# KiCad board PixelWave.kicad_pcb (continued)
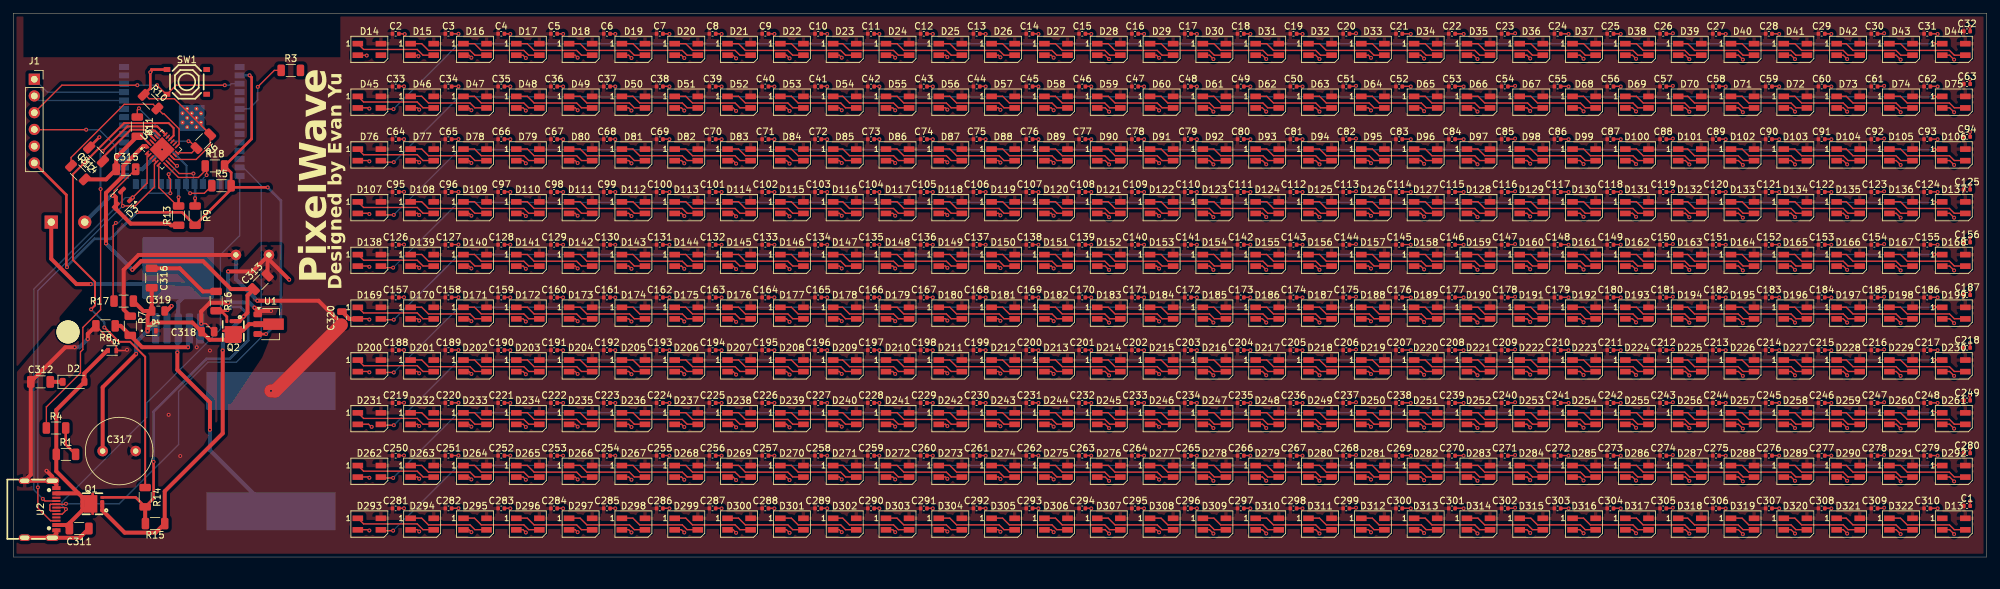
[diagram p0: board, top side]
## Nets (continued)
+5V: C1.1 C2.1 C3.1 C4.1 C5.1 C6.1 C7.1 C8.1 C9.1 C10.1 C11.1 C12.1 C13.1 C14.1 C15.1 C16.1 C17.1 C18.1 C19.1 C20.1 C21.1 C22.1 C23.1 C24.1 C25.1 C26.1 C27.1 C28.1 C29.1 C30.1 C31.1 C32.1 C33.1 C34.1 C35.1 C36.1 C37.1 C38.1 C39.1 C40.1 C41.1 C42.1 C43.1 C44.1 C45.1 C46.1 C47.1 C48.1 C49.1 C50.1 C51.1 C52.1 C53.1 C54.1 C55.1 C56.1 C57.1 C58.1 C59.1 C60.1 C61.1 C62.1 C63.1 C64.1 C65.1 C66.1 C67.1 C68.1 C69.1 C70.1 C71.1 C72.1 C73.1 C74.1 C75.1 C76.1 C77.1 C78.1 C79.1 C80.1 C81.1 C82.1 C83.1 C84.1 C85.1 C86.1 C87.1 C88.1 C89.1 C90.1 C91.1 C92.1 C93.1 C94.1 C95.1 C96.1 C97.1 C98.1 C99.1 C100.1 C101.1 C102.1 C103.1 C104.1 C105.1 C106.1 C107.1 C108.1 C109.1 C110.1 C111.1 C112.1 C113.1 C114.1 C115.1 C116.1 C117.1 C118.1 C119.1 C120.1 C121.1 C122.1 C123.1 C124.1 C125.1 C126.1 C127.1 C128.1 C129.1 C130.1 C131.1 C132.1 C133.1 C134.1 C135.1 C136.1 C137.1 C138.1 C139.1 C140.1 C141.1 C142.1 C143.1 C144.1 C145.1 C146.1 C147.1 C148.1 C149.1 C150.1 C151.1 C152.1 C153.1 C154.1 C155.1 C156.1 C157.1 C158.1 C159.1 C160.1 C161.1 C162.1 C163.1 C164.1 C165.1 C166.1 C167.1 C168.1 C169.1 C170.1 C171.1 C172.1 C173.1 C174.1 C175.1 C176.1 C177.1 C178.1 C179.1 C180.1 C181.1 C182.1 C183.1 C184.1 C185.1 C186.1 C187.1 C188.1 C189.1 C190.1 C191.1 C192.1 C193.1 C194.1 C195.1 C196.1 C197.1 C198.1 C199.1 C200.1 C201.1 C202.1 C203.1 C204.1 C205.1 C206.1 C207.1 C208.1 C209.1 C210.1 C211.1 C212.1 C213.1 C214.1 C215.1 C216.1 C217.1 C218.1 C219.1 C220.1 C221.1 C222.1 C223.1 C224.1 C225.1 C226.1 C227.1 C228.1 C229.1 C230.1 C231.1 C232.1 C233.1 C234.1 C235.1 C236.1 C237.1 C238.1 C239.1 C240.1 C241.1 C242.1 C243.1 C244.1 C245.1 C246.1 C247.1 C248.1 C249.1 C250.1 C251.1 C252.1 C253.1 C254.1 C255.1 C256.1 C257.1 C258.1 C259.1 C260.1 C261.1 C262.1 C263.1 C264.1 C265.1 C266.1 C267.1 C268.1 C269.1 C270.1 C271.1 C272.1 C273.1 C274.1 C275.1 C276.1 C277.1 C278.1 C279.1 C280.1 C281.1 C282.1 C283.1 C284.1 C285.1 C286.1 C287.1 C288.1 C289.1 C290.1 C291.1 C292.1 C293.1 C294.1 C295.1 C296.1 C297.1 C298.1 C299.1 C300.1 C301.1 C302.1 C303.1 C304.1 C305.1 C306.1 C307.1 C308.1 C309.1 C310.1 C320.1 C321.1 D13.4 D14.4 D15.4 D16.4 D17.4 D18.4 D19.4 D20.4 D21.4 D22.4 D23.4 D24.4 D25.4 D26.4 D27.4 D28.4 D29.4 D30.4 D31.4 D32.4 D33.4 D34.4 D35.4 D36.4 D37.4 D38.4 D39.4 D40.4 D41.4 D42.4 D43.4 D44.4 D45.4 D46.4 D47.4 D48.4 D49.4 D50.4 D51.4 D52.4 D53.4 D54.4 D55.4 D56.4 D57.4 D58.4 D59.4 D60.4 D61.4 D62.4 D63.4 D64.4 D65.4 D66.4 D67.4 D68.4 D69.4 D70.4 D71.4 D72.4 D73.4 D74.4 D75.4 D76.4 D77.4 D78.4 D79.4 D80.4 D81.4 D82.4 D83.4 D84.4 D85.4 D86.4 D87.4 D88.4 D89.4 D90.4 D91.4 D92.4 D93.4 D94.4 D95.4 D96.4 D97.4 D98.4 D99.4 D100.4 D101.4 D102.4 D103.4 D104.4 D105.4 D106.4 D107.4 D108.4 D109.4 D110.4 D111.4 D112.4 D113.4 D114.4 D115.4 D116.4 D117.4 D118.4 D119.4 D120.4 D121.4 D122.4 D123.4 D124.4 D125.4 D126.4 D127.4 D128.4 D129.4 D130.4 D131.4 D132.4 D133.4 D134.4 D135.4 D136.4 D137.4 D138.4 D139.4 D140.4 D141.4 D142.4 D143.4 D144.4 D145.4 D146.4 D147.4 D148.4 D149.4 D150.4 D151.4 D152.4 D153.4 D154.4 D155.4 D156.4 D157.4 D158.4 D159.4 D160.4 D161.4 D162.4 D163.4 D164.4 D165.4 D166.4 D167.4 D168.4 D169.4 D170.4 D171.4 D172.4 D173.4 D174.4 D175.4 D176.4 D177.4 D178.4 D179.4 D180.4 D181.4 D182.4 D183.4 D184.4 D185.4 D186.4 D187.4 D188.4 D189.4 D190.4 D191.4 D192.4 D193.4 D194.4 D195.4 D196.4 D197.4 D198.4 D199.4 D200.4 D201.4 D202.4 D203.4 D204.4 D205.4 D206.4 D207.4 D208.4 D209.4 D210.4 D211.4 D212.4 D213.4 D214.4 D215.4 D216.4 D217.4 D218.4 D219.4 D220.4 D221.4 D222.4 D223.4 D224.4 D225.4 D226.4 D227.4 D228.4 D229.4 D230.4 D231.4 D232.4 D233.4 D234.4 D235.4 D236.4 D237.4 D238.4 D239.4 D240.4 D241.4 D242.4 D243.4 D244.4 D245.4 D246.4 D247.4 D248.4 D249.4 D250.4 D251.4 D252.4 D253.4 D254.4 D255.4 D256.4 D257.4 D258.4 D259.4 D260.4 D261.4 D262.4 D263.4 D264.4 D265.4 D266.4 D267.4 D268.4 D269.4 D270.4 D271.4 D272.4 D273.4 D274.4 D275.4 D276.4 D277.4 D278.4 D279.4 D280.4 D281.4 D282.4 D283.4 D284.4 D285.4 D286.4 D287.4 D288.4 D289.4 D290.4 D291.4 D292.4 D293.4 D294.4 D295.4 D296.4 D297.4 D298.4 D299.4 D300.4 D301.4 D302.4 D303.4 D304.4 D305.4 D306.4 D307.4 D308.4 D309.4 D310.4 D311.4 D312.4 D313.4 D314.4 D315.4 D316.4 D317.4 D318.4 D319.4 D320.4 D321.4 D322.4 L1.2 R7.1
GND: C1.2 C2.2 C3.2 C4.2 C5.2 C6.2 C7.2 C8.2 C9.2 C10.2 C11.2 C12.2 C13.2 C14.2 C15.2 C16.2 C17.2 C18.2 C19.2 C20.2 C21.2 C22.2 C23.2 C24.2 C25.2 C26.2 C27.2 C28.2 C29.2 C30.2 C31.2 C32.2 C33.2 C34.2 C35.2 C36.2 C37.2 C38.2 C39.2 C40.2 C41.2 C42.2 C43.2 C44.2 C45.2 C46.2 C47.2 C48.2 C49.2 C50.2 C51.2 C52.2 C53.2 C54.2 C55.2 C56.2 C57.2 C58.2 C59.2 C60.2 C61.2 C62.2 C63.2 C64.2 C65.2 C66.2 C67.2 C68.2 C69.2 C70.2 C71.2 C72.2 C73.2 C74.2 C75.2 C76.2 C77.2 C78.2 C79.2 C80.2 C81.2 C82.2 C83.2 C84.2 C85.2 C86.2 C87.2 C88.2 C89.2 C90.2 C91.2 C92.2 C93.2 C94.2 C95.2 C96.2 C97.2 C98.2 C99.2 C100.2 C101.2 C102.2 C103.2 C104.2 C105.2 C106.2 C107.2 C108.2 C109.2 C110.2 C111.2 C112.2 C113.2 C114.2 C115.2 C116.2 C117.2 C118.2 C119.2 C120.2 C121.2 C122.2 C123.2 C124.2 C125.2 C126.2 C127.2 C128.2 C129.2 C130.2 C131.2 C132.2 C133.2 C134.2 C135.2 C136.2 C137.2 C138.2 C139.2 C140.2 C141.2 C142.2 C143.2 C144.2 C145.2 C146.2 C147.2 C148.2 C149.2 C150.2 C151.2 C152.2 C153.2 C154.2 C155.2 C156.2 C157.2 C158.2 C159.2 C160.2 C161.2 C162.2 C163.2 C164.2 C165.2 C166.2 C167.2 C168.2 C169.2 C170.2 C171.2 C172.2 C173.2 C174.2 C175.2 C176.2 C177.2 C178.2 C179.2 C180.2 C181.2 C182.2 C183.2 C184.2 C185.2 C186.2 C187.2 C188.2 C189.2 C190.2 C191.2 C192.2 C193.2 C194.2 C195.2 C196.2 C197.2 C198.2 C199.2 C200.2 C201.2 C202.2 C203.2 C204.2 C205.2 C206.2 C207.2 C208.2 C209.2 C210.2 C211.2 C212.2 C213.2 C214.2 C215.2 C216.2 C217.2 C218.2 C219.2 C220.2 C221.2 C222.2 C223.2 C224.2 C225.2 C226.2 C227.2 C228.2 C229.2 C230.2 C231.2 C232.2 C233.2 C234.2 C235.2 C236.2 C237.2 C238.2 C239.2 C240.2 C241.2 C242.2 C243.2 C244.2 C245.2 C246.2 C247.2 C248.2 C249.2 C250.2 C251.2 C252.2 C253.2 C254.2 C255.2 C256.2 C257.2 C258.2 C259.2 C260.2 C261.2 C262.2 C263.2 C264.2 C265.2 C266.2 C267.2 C268.2 C269.2 C270.2 C271.2 C272.2 C273.2 C274.2 C275.2 C276.2 C277.2 C278.2 C279.2 C280.2 C281.2 C282.2 C283.2 C284.2 C285.2 C286.2 C287.2 C288.2 C289.2 C290.2 C291.2 C292.2 C293.2 C294.2 C295.2 C296.2 C297.2 C298.2 C299.2 C300.2 C301.2 C302.2 C303.2 C304.2 C305.2 C306.2 C307.2 C308.2 C309.2 C310.2 C311.2 C312.1 C313.2 C314.2 C315.2 C317.2 C318.2 C320.2 C321.2 D1.A D3.3 D4.A D5.2 D13.2 D14.2 D15.2 D16.2 D17.2 D18.2 D19.2 D20.2 D21.2 D22.2 D23.2 D24.2 D25.2 D26.2 D27.2 D28.2 D29.2 D30.2 D31.2 D32.2 D33.2 D34.2 D35.2 D36.2 D37.2 D38.2 D39.2 D40.2 D41.2 D42.2 D43.2 D44.2 D45.2 D46.2 D47.2 D48.2 D49.2 D50.2 D51.2 D52.2 D53.2 D54.2 D55.2 D56.2 D57.2 D58.2 D59.2 D60.2 D61.2 D62.2 D63.2 D64.2 D65.2 D66.2 D67.2 D68.2 D69.2 D70.2 D71.2 D72.2 D73.2 D74.2 D75.2 D76.2 D77.2 D78.2 D79.2 D80.2 D81.2 D82.2 D83.2 D84.2 D85.2 D86.2 D87.2 D88.2 D89.2 D90.2 D91.2 D92.2 D93.2 D94.2 D95.2 D96.2 D97.2 D98.2 D99.2 D100.2 D101.2 D102.2 D103.2 D104.2 D105.2 D106.2 D107.2 D108.2 D109.2 D110.2 D111.2 D112.2 D113.2 D114.2 D115.2 D116.2 D117.2 D118.2 D119.2 D120.2 D121.2 D122.2 D123.2 D124.2 D125.2 D126.2 D127.2 D128.2 D129.2 D130.2 D131.2 D132.2 D133.2 D134.2 D135.2 D136.2 D137.2 D138.2 D139.2 D140.2 D141.2 D142.2 D143.2 D144.2 D145.2 D146.2 D147.2 D148.2 D149.2 D150.2 D151.2 D152.2 D153.2 D154.2 D155.2 D156.2 D157.2 D158.2 D159.2 D160.2 D161.2 D162.2 D163.2 D164.2 D165.2 D166.2 D167.2 D168.2 D169.2 D170.2 D171.2 D172.2 D173.2 D174.2 D175.2 D176.2 D177.2 D178.2 D179.2 D180.2 D181.2 D182.2 D183.2 D184.2 D185.2 D186.2 D187.2 D188.2 D189.2 D190.2 D191.2 D192.2 D193.2 D194.2 D195.2 D196.2 D197.2 D198.2 D199.2 D200.2 D201.2 D202.2 D203.2 D204.2 D205.2 D206.2 D207.2 D208.2 D209.2 D210.2 D211.2 D212.2 D213.2 D214.2 D215.2 D216.2 D217.2 D218.2 D219.2 D220.2 D221.2 D222.2 D223.2 D224.2 D225.2 D226.2 D227.2 D228.2 D229.2 D230.2 D231.2 D232.2 D233.2 D234.2 D235.2 D236.2 D237.2 D238.2 D239.2 D240.2 D241.2 D242.2 D243.2 D244.2 D245.2 D246.2 D247.2 D248.2 D249.2 D250.2 D251.2 D252.2 D253.2 D254.2 D255.2 D256.2 D257.2 D258.2 D259.2 D260.2 D261.2 D262.2 D263.2 D264.2 D265.2 D266.2 D267.2 D268.2 D269.2 D270.2 D271.2 D272.2 D273.2 D274.2 D275.2 D276.2 D277.2 D278.2 D279.2 D280.2 D281.2 D282.2 D283.2 D284.2 D285.2 D286.2 D287.2 D288.2 D289.2 D290.2 D291.2 D292.2 D293.2 D294.2 D295.2 D296.2 D297.2 D298.2 D299.2 D300.2 D301.2 D302.2 D303.2 D304.2 D305.2 D306.2 D307.2 D308.2 D309.2 D310.2 D311.2 D312.2 D313.2 D314.2 D315.2 D316.2 D317.2 D318.2 D319.2 D320.2 D321.2 D322.2 J1.5 R6.1 R8.2 R10.1 R13.2 SW1.1 U1.1 U2.1 U2.2 U2.3 U2.4 U2.A1B12 U2.B1A12 U3.1 U3.40 U3.41 U4.1 U5.10 U5.22 U5.25
VBUS: C311.1 D1.C D2.2 Q1.5 Q1.6 Q1.7 Q1.8 Q1.9 R1.1 U2.A4B9 U2.B4A9
/ALERT: R5.1 U3.20 U5.19
/C_Vsnk: C316.2 C317.1 C318.1 C319.1 D4.C Q2.5 Q2.6 Q2.7 Q2.8 Q2.9 R17.1 U1.2 U4.5
/EN: J1.3 SW1.3 U3.3
/I2C_SCL: R18.1 U3.18 U5.7
/I2C_SDA: R9.1 U3.19 U5.8
/IO0: J1.4 U3.27
/IO1: U3.39
/IO2: U3.38
/IO3: U3.15
/IO4: U3.4
/IO5: U3.5
/LED: R3.1 U3.6
/RESET: R13.1 U3.21 U5.6
/RX: J1.2 U3.36
/TX: J1.1 U3.37
/USB_DM: U2.A7 U2.B7 U3.13
/USB_DP: U2.A6 U2.B6 U3.14
Net-(C316-Pad1): C316.1 R16.1
Net-(D2-K): C312.2 D2.1
Net-(D5-K): D5.1 L1.1 U4.3
Net-(D13-DIN): D13.3 D322.1
Net-(D14-DIN): D14.3 R3.2
Net-(D14-DOUT): D14.1 D15.3
Net-(D15-DOUT): D15.1 D16.3
Net-(D16-DOUT): D16.1 D17.3
Net-(D17-DOUT): D17.1 D18.3
Net-(D18-DOUT): D18.1 D19.3
Net-(D19-DOUT): D19.1 D20.3
Net-(D20-DOUT): D20.1 D21.3
Net-(D21-DOUT): D21.1 D22.3
Net-(D22-DOUT): D22.1 D23.3
Net-(D23-DOUT): D23.1 D24.3
Net-(D24-DOUT): D24.1 D25.3
Net-(D25-DOUT): D25.1 D26.3
Net-(D26-DOUT): D26.1 D27.3
Net-(D27-DOUT): D27.1 D28.3
Net-(D28-DOUT): D28.1 D29.3
Net-(D29-DOUT): D29.1 D30.3
Net-(D30-DOUT): D30.1 D31.3
Net-(D31-DOUT): D31.1 D32.3
Net-(D32-DOUT): D32.1 D33.3
Net-(D33-DOUT): D33.1 D34.3
Net-(D34-DOUT): D34.1 D35.3
Net-(D35-DOUT): D35.1 D36.3
Net-(D36-DOUT): D36.1 D37.3
Net-(D37-DOUT): D37.1 D38.3
Net-(D38-DOUT): D38.1 D39.3
Net-(D39-DOUT): D39.1 D40.3
Net-(D40-DOUT): D40.1 D41.3
Net-(D41-DOUT): D41.1 D42.3
Net-(D42-DOUT): D42.1 D43.3
Net-(D43-DOUT): D43.1 D44.3
Net-(D44-DOUT): D44.1 D45.3
Net-(D45-DOUT): D45.1 D46.3
Net-(D46-DOUT): D46.1 D47.3
Net-(D47-DOUT): D47.1 D48.3
Net-(D48-DOUT): D48.1 D49.3
Net-(D49-DOUT): D49.1 D50.3
Net-(D50-DOUT): D50.1 D51.3
Net-(D51-DOUT): D51.1 D52.3
Net-(D52-DOUT): D52.1 D53.3
Net-(D53-DOUT): D53.1 D54.3
Net-(D54-DOUT): D54.1 D55.3
Net-(D55-DOUT): D55.1 D56.3
Net-(D56-DOUT): D56.1 D57.3
Net-(D57-DOUT): D57.1 D58.3
Net-(D58-DOUT): D58.1 D59.3
Net-(D59-DOUT): D59.1 D60.3
Net-(D60-DOUT): D60.1 D61.3
Net-(D61-DOUT): D61.1 D62.3
Net-(D62-DOUT): D62.1 D63.3
Net-(D63-DOUT): D63.1 D64.3
Net-(D64-DOUT): D64.1 D65.3
Net-(D65-DOUT): D65.1 D66.3
Net-(D66-DOUT): D66.1 D67.3
Net-(D67-DOUT): D67.1 D68.3
Net-(D68-DOUT): D68.1 D69.3
Net-(D69-DOUT): D69.1 D70.3
Net-(D70-DOUT): D70.1 D71.3
Net-(D71-DOUT): D71.1 D72.3
Net-(D72-DOUT): D72.1 D73.3
Net-(D73-DOUT): D73.1 D74.3
Net-(D74-DOUT): D74.1 D75.3
Net-(D75-DOUT): D75.1 D76.3
Net-(D76-DOUT): D76.1 D77.3
Net-(D77-DOUT): D77.1 D78.3
Net-(D78-DOUT): D78.1 D79.3
Net-(D79-DOUT): D79.1 D80.3
Net-(D80-DOUT): D80.1 D81.3
Net-(D81-DOUT): D81.1 D82.3
Net-(D82-DOUT): D82.1 D83.3
Net-(D83-DOUT): D83.1 D84.3
Net-(D84-DOUT): D84.1 D85.3
Net-(D85-DOUT): D85.1 D86.3
Net-(D86-DOUT): D86.1 D87.3
Net-(D87-DOUT): D87.1 D88.3
Net-(D88-DOUT): D88.1 D89.3
Net-(D89-DOUT): D89.1 D90.3
Net-(D90-DOUT): D90.1 D91.3
Net-(D91-DOUT): D91.1 D92.3
Net-(D92-DOUT): D92.1 D93.3
Net-(D93-DOUT): D93.1 D94.3
Net-(D94-DOUT): D94.1 D95.3
Net-(D95-DOUT): D95.1 D96.3
Net-(D96-DOUT): D96.1 D97.3
Net-(D97-DOUT): D97.1 D98.3
Net-(D98-DOUT): D98.1 D99.3
Net-(D100-DIN): D99.1 D100.3
Net-(D100-DOUT): D100.1 D101.3
Net-(D101-DOUT): D101.1 D102.3
Net-(D102-DOUT): D102.1 D103.3
Net-(D103-DOUT): D103.1 D104.3
Net-(D104-DOUT): D104.1 D105.3
Net-(D105-DOUT): D105.1 D106.3
Net-(D106-DOUT): D106.1 D107.3
Net-(D107-DOUT): D107.1 D108.3
Net-(D108-DOUT): D108.1 D109.3
Net-(D109-DOUT): D109.1 D110.3
Net-(D110-DOUT): D110.1 D111.3
Net-(D111-DOUT): D111.1 D112.3
Net-(D112-DOUT): D112.1 D113.3
Net-(D113-DOUT): D113.1 D114.3
Net-(D114-DOUT): D114.1 D115.3
Net-(D115-DOUT): D115.1 D116.3
Net-(D116-DOUT): D116.1 D117.3
Net-(D117-DOUT): D117.1 D118.3
Net-(D118-DOUT): D118.1 D119.3
Net-(D119-DOUT): D119.1 D120.3
Net-(D120-DOUT): D120.1 D121.3
Net-(D121-DOUT): D121.1 D122.3
Net-(D122-DOUT): D122.1 D123.3
Net-(D123-DOUT): D123.1 D124.3
Net-(D124-DOUT): D124.1 D125.3
Net-(D125-DOUT): D125.1 D126.3
Net-(D126-DOUT): D126.1 D127.3
Net-(D127-DOUT): D127.1 D128.3
Net-(D128-DOUT): D128.1 D129.3
Net-(D129-DOUT): D129.1 D130.3
Net-(D130-DOUT): D130.1 D131.3
Net-(D131-DOUT): D131.1 D132.3
Net-(D132-DOUT): D132.1 D133.3
Net-(D133-DOUT): D133.1 D134.3
Net-(D134-DOUT): D134.1 D135.3
Net-(D135-DOUT): D135.1 D136.3
Net-(D136-DOUT): D136.1 D137.3
Net-(D137-DOUT): D137.1 D138.3
Net-(D138-DOUT): D138.1 D139.3
Net-(D139-DOUT): D139.1 D140.3
Net-(D140-DOUT): D140.1 D141.3
Net-(D141-DOUT): D141.1 D142.3
Net-(D142-DOUT): D142.1 D143.3
Net-(D143-DOUT): D143.1 D144.3
Net-(D144-DOUT): D144.1 D145.3
Net-(D145-DOUT): D145.1 D146.3
Net-(D146-DOUT): D146.1 D147.3
Net-(D147-DOUT): D147.1 D148.3
Net-(D148-DOUT): D148.1 D149.3
Net-(D149-DOUT): D149.1 D150.3
Net-(D150-DOUT): D150.1 D151.3
Net-(D151-DOUT): D151.1 D152.3
Net-(D152-DOUT): D152.1 D153.3
Net-(D153-DOUT): D153.1 D154.3
Net-(D154-DOUT): D154.1 D155.3
Net-(D155-DOUT): D155.1 D156.3
Net-(D156-DOUT): D156.1 D157.3
Net-(D157-DOUT): D157.1 D158.3
Net-(D158-DOUT): D158.1 D159.3
Net-(D159-DOUT): D159.1 D160.3
Net-(D160-DOUT): D160.1 D161.3
Net-(D161-DOUT): D161.1 D162.3
Net-(D162-DOUT): D162.1 D163.3
Net-(D163-DOUT): D163.1 D164.3
Net-(D164-DOUT): D164.1 D165.3
Net-(D165-DOUT): D165.1 D166.3
Net-(D166-DOUT): D166.1 D167.3
Net-(D167-DOUT): D167.1 D168.3
Net-(D168-DOUT): D168.1 D169.3
Net-(D169-DOUT): D169.1 D170.3
Net-(D170-DOUT): D170.1 D171.3
Net-(D171-DOUT): D171.1 D172.3
Net-(D172-DOUT): D172.1 D173.3
Net-(D173-DOUT): D173.1 D174.3
Net-(D174-DOUT): D174.1 D175.3
Net-(D175-DOUT): D175.1 D176.3
Net-(D176-DOUT): D176.1 D177.3
Net-(D177-DOUT): D177.1 D178.3
Net-(D178-DOUT): D178.1 D179.3
Net-(D179-DOUT): D179.1 D180.3
Net-(D180-DOUT): D180.1 D181.3
Net-(D181-DOUT): D181.1 D182.3
Net-(D182-DOUT): D182.1 D183.3
Net-(D183-DOUT): D183.1 D184.3
Net-(D184-DOUT): D184.1 D185.3
Net-(D185-DOUT): D185.1 D186.3
Net-(D186-DOUT): D186.1 D187.3
Net-(D187-DOUT): D187.1 D188.3
Net-(D188-DOUT): D188.1 D189.3
Net-(D189-DOUT): D189.1 D190.3
Net-(D190-DOUT): D190.1 D191.3
Net-(D191-DOUT): D191.1 D192.3
Net-(D192-DOUT): D192.1 D193.3
Net-(D193-DOUT): D193.1 D194.3
Net-(D194-DOUT): D194.1 D195.3
Net-(D195-DOUT): D195.1 D196.3
Net-(D196-DOUT): D196.1 D197.3
Net-(D197-DOUT): D197.1 D198.3
Net-(D198-DOUT): D198.1 D199.3
Net-(D199-DOUT): D199.1 D200.3
Net-(D200-DOUT): D200.1 D201.3
Net-(D201-DOUT): D201.1 D202.3
Net-(D202-DOUT): D202.1 D203.3
Net-(D203-DOUT): D203.1 D204.3
Net-(D204-DOUT): D204.1 D205.3
Net-(D205-DOUT): D205.1 D206.3
Net-(D206-DOUT): D206.1 D207.3
Net-(D207-DOUT): D207.1 D208.3
Net-(D208-DOUT): D208.1 D209.3
Net-(D209-DOUT): D209.1 D210.3
Net-(D210-DOUT): D210.1 D211.3
Net-(D211-DOUT): D211.1 D212.3
Net-(D212-DOUT): D212.1 D213.3
Net-(D213-DOUT): D213.1 D214.3
Net-(D214-DOUT): D214.1 D215.3
Net-(D215-DOUT): D215.1 D216.3
Net-(D216-DOUT): D216.1 D217.3
Net-(D217-DOUT): D217.1 D218.3
Net-(D218-DOUT): D218.1 D219.3
Net-(D219-DOUT): D219.1 D220.3
Net-(D220-DOUT): D220.1 D221.3
Net-(D221-DOUT): D221.1 D222.3
Net-(D222-DOUT): D222.1 D223.3
Net-(D223-DOUT): D223.1 D224.3
Net-(D224-DOUT): D224.1 D225.3
Net-(D225-DOUT): D225.1 D226.3
Net-(D226-DOUT): D226.1 D227.3
Net-(D227-DOUT): D227.1 D228.3
Net-(D228-DOUT): D228.1 D229.3
Net-(D229-DOUT): D229.1 D230.3
Net-(D230-DOUT): D230.1 D231.3
Net-(D231-DOUT): D231.1 D232.3
Net-(D232-DOUT): D232.1 D233.3
Net-(D233-DOUT): D233.1 D234.3
Net-(D234-DOUT): D234.1 D235.3
Net-(D235-DOUT): D235.1 D236.3
Net-(D236-DOUT): D236.1 D237.3
Net-(D237-DOUT): D237.1 D238.3
Net-(D238-DOUT): D238.1 D239.3
Net-(D239-DOUT): D239.1 D240.3
Net-(D240-DOUT): D240.1 D241.3
Net-(D241-DOUT): D241.1 D242.3
Net-(D242-DOUT): D242.1 D243.3
Net-(D243-DOUT): D243.1 D244.3
Net-(D244-DOUT): D244.1 D245.3
Net-(D245-DOUT): D245.1 D246.3
Net-(D246-DOUT): D246.1 D247.3
Net-(D247-DOUT): D247.1 D248.3
Net-(D248-DOUT): D248.1 D249.3
Net-(D249-DOUT): D249.1 D250.3
Net-(D250-DOUT): D250.1 D251.3
Net-(D251-DOUT): D251.1 D252.3
Net-(D252-DOUT): D252.1 D253.3
Net-(D253-DOUT): D253.1 D254.3
Net-(D254-DOUT): D254.1 D255.3
Net-(D255-DOUT): D255.1 D256.3
Net-(D256-DOUT): D256.1 D257.3
Net-(D257-DOUT): D257.1 D258.3
Net-(D258-DOUT): D258.1 D259.3
Net-(D259-DOUT): D259.1 D260.3
Net-(D260-DOUT): D260.1 D261.3
Net-(D261-DOUT): D261.1 D262.3
Net-(D262-DOUT): D262.1 D263.3
Net-(D263-DOUT): D263.1 D264.3
Net-(D264-DOUT): D264.1 D265.3
Net-(D265-DOUT): D265.1 D266.3
Net-(D266-DOUT): D266.1 D267.3
Net-(D267-DOUT): D267.1 D268.3
Net-(D268-DOUT): D268.1 D269.3
Net-(D269-DOUT): D269.1 D270.3
Net-(D270-DOUT): D270.1 D271.3
Net-(D271-DOUT): D271.1 D272.3
Net-(D272-DOUT): D272.1 D273.3
Net-(D273-DOUT): D273.1 D274.3
Net-(D274-DOUT): D274.1 D275.3
Net-(D275-DOUT): D275.1 D276.3
Net-(D276-DOUT): D276.1 D277.3
Net-(D277-DOUT): D277.1 D278.3
Net-(D278-DOUT): D278.1 D279.3
Net-(D279-DOUT): D279.1 D280.3
Net-(D280-DOUT): D280.1 D281.3
Net-(D281-DOUT): D281.1 D282.3
Net-(D282-DOUT): D282.1 D283.3
Net-(D283-DOUT): D283.1 D284.3
Net-(D284-DOUT): D284.1 D285.3
Net-(D285-DOUT): D285.1 D286.3
Net-(D286-DOUT): D286.1 D287.3
Net-(D287-DOUT): D287.1 D288.3
Net-(D288-DOUT): D288.1 D289.3
Net-(D289-DOUT): D289.1 D290.3
Net-(D290-DOUT): D290.1 D291.3
Net-(D291-DOUT): D291.1 D292.3
Net-(D292-DOUT): D292.1 D293.3
Net-(D293-DOUT): D293.1 D294.3
Net-(D294-DOUT): D294.1 D295.3
Net-(D295-DOUT): D295.1 D296.3
Net-(D296-DOUT): D296.1 D297.3
Net-(D297-DOUT): D297.1 D298.3
Net-(D298-DOUT): D298.1 D299.3
Net-(D299-DOUT): D299.1 D300.3
Net-(D300-DOUT): D300.1 D301.3
Net-(D301-DOUT): D301.1 D302.3
Net-(D302-DOUT): D302.1 D303.3
Net-(D303-DOUT): D303.1 D304.3
Net-(D304-DOUT): D304.1 D305.3
Net-(D305-DOUT): D305.1 D306.3
Net-(D306-DOUT): D306.1 D307.3
Net-(D307-DOUT): D307.1 D308.3
Net-(D308-DOUT): D308.1 D309.3
Net-(D309-DOUT): D309.1 D310.3
Net-(D310-DOUT): D310.1 D311.3
Net-(D311-DOUT): D311.1 D312.3
Net-(D312-DOUT): D312.1 D313.3
Net-(D313-DOUT): D313.1 D314.3
Net-(D314-DOUT): D314.1 D315.3
Net-(D315-DOUT): D315.1 D316.3
Net-(D316-DOUT): D316.1 D317.3
Net-(D317-DOUT): D317.1 D318.3
Net-(D318-DOUT): D318.1 D319.3
Net-(D319-DOUT): D319.1 D320.3
Net-(D320-DOUT): D320.1 D321.3
Net-(D321-DOUT): D321.1 D322.3
Net-(Q1-Pad4): Q1.4 Q2.4 R14.2 R15.1 R16.2
Net-(R1-Pad2): R1.2 R4.1
Net-(U2-CC1): D3.1 U2.A5 U5.1 U5.2
Net-(U2-CC2): D3.2 U2.B5 U5.4 U5.5
Net-(U4-FB): R7.2 R8.1 U4.2
Net-(U4-VC): C319.2 U4.4
Net-(U5-ADDR0): R6.2 R11.1 U5.12
Net-(U5-ADDR1): R10.2 R12.1 U5.13
Net-(U5-DISCH): R17.2 U5.9
Net-(U5-VBUS_EN_SNK): R14.1 U5.16
Net-(U5-VBUS_VS_DISCH): R4.2 U5.18
Net-(U5-VDD): C313.1 Q1.1 Q1.2 Q1.3 Q2.1 Q2.2 Q2.3 R15.2 U5.24
Net-(U5-VREG_1V2): C314.1 U5.21

Pads without a net: D13 1; SW1 2 4; U2 A8 B8; U3 7 8 9 10 11 12 16 17 22 23 24 25 26 28 29 30 31 32 33 34 35; U5 3 11 14 15 17 20

## Via types
v1: diameter 0.6, hole 0.3, Top to Bottom, 705 vias
